# Allegro board 1156197-TDI_VU3P_QSFP28_CXP_V001_1023A-166-20241121_1644_PCB.brd (continued)
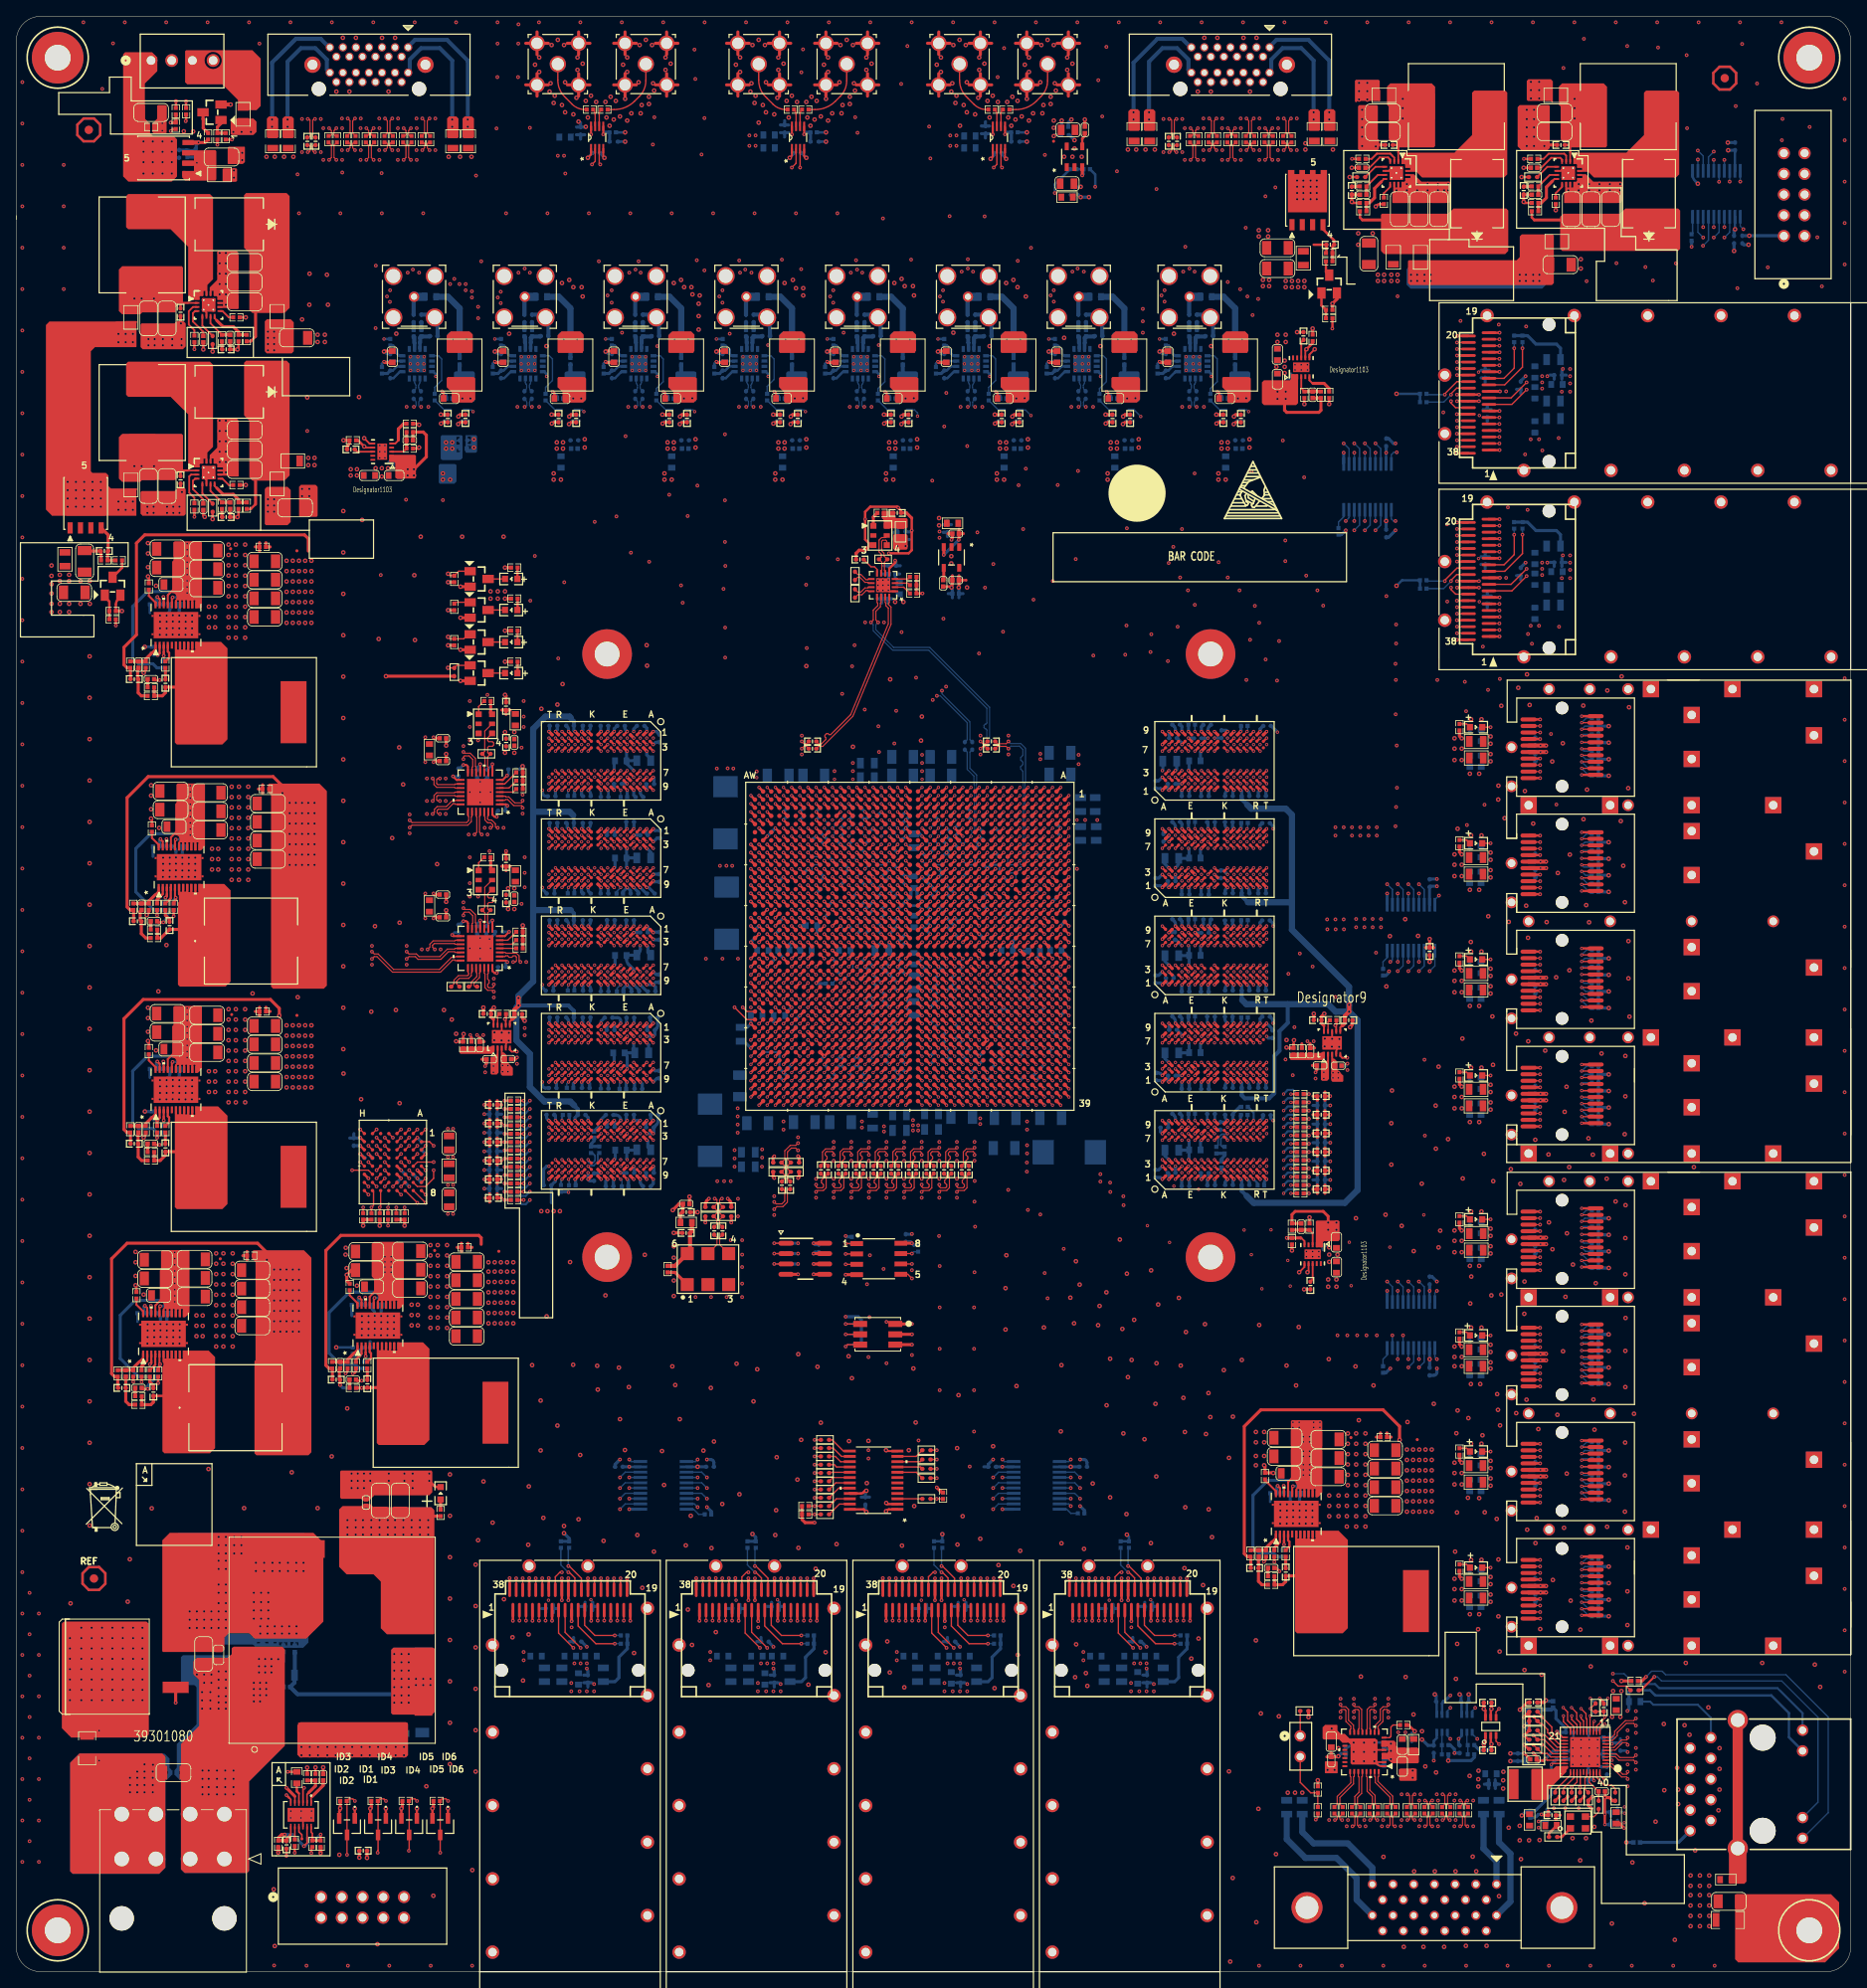
[diagram p0: board, top side]
## Routing (per net, layer and track width the routed paths; a pad name or vN(x,y) marks a point on that pad's centre or on a via; arc(x,y) is an arc through that point) (continued)
CHA_BPI_FLASH_CLK: length 156.8
  TOP w0.17: U3.E6 v1(45.19,98.37)
  ART12 w0.122: v1(104.1,135.36) 104.42,135.36 104.65,135.13 104.65,125.6 103.63,124.59 103.63,118.14 103.3,117.81 102.77,117.81 102.62,117.65 102.62,115.19 102.23,114.81 101.85,114.81 101.6,114.55 101.6,106.17 100.97,105.54 100.97,93.98 97.16,90.17 97.16,84.71 90.78,78.33 66.04,78.33 65.66,78.71 65.66,79.3 65.46,79.5 62.53,79.5 62.23,79.81 62.23,87.64 62.11,87.76 58.04,87.76 57.28,88.52 57.06,88.52 56.93,88.4 56.93,85.59 56.81,85.47 56.57,85.47 56.45,85.59 56.45,88.4 56.32,88.52 56.08,88.52 55.96,88.4 55.96,85.59 55.84,85.47 55.59,85.47 55.47,85.59 55.47,88.4 55.35,88.52 55.1,88.52 54.98,88.4 54.98,85.59 54.86,85.47 54.62,85.47 54.49,85.59 54.49,88.4 54.37,88.52 54.13,88.52 54.01,88.4 54.01,86.43 53.89,86.31 53.64,86.31 53.52,86.43 53.52,88.4 53.4,88.52 50.67,88.52 50.04,89.15 48.64,89.15 48.01,89.79 43.31,89.79 41.4,91.69 41.4,97.03 42.75,98.37 43.51,98.37 44.07,98.93 44.83,98.93 45.19,98.57 v1(45.19,98.37)
  BOTTOM w0.17: R1.1 104.59,135.84 v1(104.1,135.36)
CHA_BPI_FLASH_D0: length 154.1
  TOP w0.17: U1.AB8 v1(108.1,138.36) ; U3.F2 v1(44.19,102.37)
  ART12 w0.122: v1(44.19,102.37) 43.04,102.37 42.55,102.87 41.73,102.87 38.58,99.72 38.58,87.91 39.7,86.79 39.7,85.52 40.28,84.94 42.65,84.94 45.54,82.04 47.12,82.04 48.01,81.15 49.53,81.15 50.16,80.52 50.16,78.79 51.02,77.94 52.36,77.94 53.09,77.22 55.93,77.22 56.39,76.76 63.88,76.76 64.95,75.69 93.68,75.69 102.87,84.89 102.87,90.42 107.6,95.16 107.6,124.87 108.6,125.87 108.6,136.54 108.92,136.86 109.43,136.86 109.61,137.03 109.61,138.55 109.29,138.87 108.22,138.87 108.1,138.75 v1(108.1,138.36)
CHA_BPI_FLASH_D1: length 158.2
  TOP w0.152: v1(106.1,138.36) 106.1,138.36 U1.AD8
  TOP w0.17: U3.E2 v1(45.19,102.37)
  ART12 w0.122: v1(45.19,102.37) 44.69,101.87 44.69,101.08 44.48,100.87 41.51,100.87 39.45,98.81 39.45,90.65 41.71,88.39 41.71,87.45 45.85,83.31 49.53,83.31 50.67,82.17 53.04,82.17 53.47,81.74 53.47,79.12 54.48,78.11 56.29,78.11 56.77,77.62 64.24,77.62 65.3,76.56 93.15,76.56 95.97,79.37 95.97,79.55 95.4,80.11 95.4,80.29 95.57,80.46 95.74,80.46 96.31,79.89 96.48,79.89 96.66,80.06 96.66,80.24 96.09,80.8 96.09,80.98 96.26,81.15 96.43,81.15 97,80.58 97.17,80.58 97.35,80.75 97.35,80.93 96.78,81.49 96.78,81.67 96.95,81.84 97.12,81.84 97.69,81.27 97.86,81.27 98.04,81.44 98.04,81.62 97.47,82.18 97.47,82.35 97.64,82.53 97.81,82.53 98.28,82.07 98.45,82.07 98.62,82.24 98.62,82.41 98.16,82.87 98.16,83.04 98.89,83.78 100.37,83.78 101.12,84.52 101.12,91.34 104.27,94.49 104.9,94.49 105.41,95 105.41,102.23 105.92,102.74 105.92,105.79 105.54,106.17 105.54,124.71 106.6,125.78 106.6,136.7 106.76,136.86 107.27,136.86 107.6,137.19 107.6,138.65 107.38,138.87 106.28,138.87 106.1,138.69 v1(106.1,138.36)
CHA_BPI_FLASH_D2: length 156.1
  TOP w0.152: U1.Y8 v1(109.1,138.36)
  TOP w0.17: v1(43.19,101.37) U3.G3
  ART12 w0.122: v1(109.1,138.36) 108.6,137.86 108.6,137.18 108.28,136.86 107.9,136.86 107.6,136.56 107.6,125.64 106.6,124.64 106.6,106.12 107.06,105.66 107.06,103 106.05,101.98 106.05,94.36 105.14,93.46 104.97,93.46 104.51,93.92 104.34,93.92 104.16,93.75 104.16,93.58 104.63,93.12 104.63,92.94 104.45,92.77 104.28,92.77 103.82,93.23 103.65,93.23 103.47,93.06 103.47,92.89 103.94,92.43 103.94,92.25 103.76,92.08 103.59,92.08 103.13,92.54 102.96,92.54 102.78,92.37 102.78,92.2 103.25,91.74 103.25,91.56 103.07,91.39 102.9,91.39 102.44,91.85 102.27,91.85 102.09,91.68 102.09,91.51 102.56,91.05 102.56,90.87 102.36,90.68 102.36,85.09 99.97,82.7 99.8,82.7 99.21,83.29 99.04,83.29 98.87,83.12 98.87,82.95 99.46,82.36 99.46,82.18 93.4,76.12 65.13,76.12 64.06,77.19 56.59,77.19 56.18,77.6 53.34,77.6 52.27,78.66 52.27,80.57 51.94,80.9 50.67,80.9 50.04,81.53 50.04,82.04 49.4,82.68 45.72,82.68 41.33,87.07 40.34,87.07 39.04,88.37 39.04,99.44 41.47,101.87 42.96,101.87 43.19,101.64 v1(43.19,101.37)
CHA_BPI_FLASH_D3: length 157.6
  TOP w0.152: U1.AC8 107.1,138.36 v1(107.1,138.36)
  TOP w0.17: U3.E4 v1(45.19,100.37)
  ART12 w0.122: v1(107.1,138.36) U1.AC8 105.98,137.86 105.6,137.48 105.6,125.67 104.65,124.71 104.65,106.3 104.27,105.92 104.27,105.67 104.39,105.54 105.42,105.54 105.54,105.42 105.54,105.18 105.42,105.06 104.39,105.06 104.27,104.93 104.27,104.69 104.39,104.57 105.42,104.57 105.54,104.45 105.54,104.2 105.42,104.08 104.39,104.08 104.27,103.96 104.27,103.71 104.39,103.59 105.42,103.59 105.54,103.47 105.54,103.23 105.42,103.11 103.99,103.11 103.76,102.87 103.76,94.61 100.71,91.57 100.71,84.71 100.2,84.2 98.68,84.2 94.61,80.14 94.61,79.96 95.14,79.44 95.14,79.27 94.97,79.09 94.8,79.09 94.27,79.62 94.1,79.62 93.92,79.45 93.92,79.27 94.45,78.75 94.45,78.58 94.28,78.4 94.11,78.4 93.58,78.93 93.41,78.93 93.23,78.76 93.23,78.58 93.76,78.06 93.76,77.89 93.59,77.71 93.42,77.71 92.89,78.24 92.72,78.24 92.54,78.07 92.54,77.89 93.07,77.37 93.07,77.2 92.9,77.02 92.73,77.02 92.2,77.55 92.03,77.55 91.44,76.96 65.51,76.96 64.39,78.08 56.92,78.08 56.39,78.61 54.74,78.61 53.98,79.38 53.98,82.58 53.05,83.5 50.1,83.5 49.78,83.82 46.1,83.82 42.16,87.76 42.16,88.7 39.9,90.96 39.9,98.45 41.33,99.87 44.69,99.87 v1(45.19,100.37)
CHA_BPI_FLASH_D4: length 141.3
  TOP w0.152: U1.AF30 v1(103.1,115.36)
  TOP w0.17: U3.E5 v1(45.19,99.37)
  ART12 w0.122: v1(45.19,99.37) 45.12,99.44 43.97,99.44 43.33,98.81 42.42,98.81 40.82,97.21 40.82,91.52 43.05,89.28 46.74,89.28 48.32,87.69 49.89,87.69 50.01,87.57 50.01,86.26 50.29,85.98 53.09,85.98 54.23,84.84 56.77,84.84 56.95,84.65 56.95,84.22 56.83,84.1 55.11,84.1 54.99,83.98 54.99,83.73 55.11,83.61 56.83,83.61 56.95,83.49 56.95,83.25 56.83,83.13 55.11,83.13 54.99,83 54.99,82.76 55.11,82.64 56.83,82.64 56.95,82.52 56.95,82.27 56.83,82.15 55.11,82.15 54.99,82.03 54.99,81.78 55.11,81.66 56.83,81.66 56.95,81.54 56.95,81.3 56.83,81.17 55.11,81.17 54.99,81.05 54.99,80.81 55.11,80.69 56.83,80.69 56.95,80.56 56.95,80.32 56.83,80.2 55.11,80.2 54.99,80.08 54.99,79.83 55.11,79.71 56.51,79.71 57.26,78.96 64.67,78.96 65.84,77.8 91.01,77.8 98.3,85.09 98.3,90.55 101.47,93.73 101.47,98.39 101.59,98.52 102.62,98.52 102.74,98.64 102.74,98.88 102.62,99 101.59,99 101.47,99.12 101.47,102.54 101.59,102.66 102.49,102.66 102.62,102.78 102.62,103.03 102.49,103.15 101.59,103.15 101.47,103.27 101.47,103.52 101.59,103.64 102.49,103.64 102.62,103.76 102.62,104 102.49,104.12 101.59,104.12 101.47,104.25 101.47,104.49 101.59,104.61 102.49,104.61 102.62,104.73 102.62,104.98 102.49,105.1 101.59,105.1 101.47,105.22 101.47,105.41 101.85,105.79 102.36,105.79 102.62,106.05 102.62,114.55 103.1,115.04 v1(103.1,115.36)
CHA_BPI_FLASH_D5: length 142.1
  TOP w0.152: U1.AG30 v1(102.1,115.36)
  TOP w0.17: U3.G5 v1(43.19,99.37)
  ART14 w0.122: v1(43.19,99.37) 42.75,98.93 40.89,98.93 40.64,98.68 40.64,97.95 40.76,97.83 42.42,97.83 42.55,97.71 42.55,97.46 42.42,97.34 40.76,97.34 40.64,97.22 40.64,96.97 40.76,96.85 42.42,96.85 42.55,96.73 42.55,96.49 42.42,96.36 40.76,96.36 40.64,96.24 40.64,96 40.76,95.88 42.42,95.88 42.55,95.76 42.55,95.51 42.42,95.39 40.76,95.39 40.64,95.27 40.64,95.02 40.76,94.9 42.42,94.9 42.55,94.78 42.55,94.54 42.42,94.41 40.76,94.41 40.64,94.29 40.64,94.05 40.76,93.93 41.92,93.93 42.04,93.8 42.04,93.56 41.92,93.44 40.76,93.44 40.64,93.32 40.64,93.07 40.76,92.95 41.92,92.95 42.04,92.83 42.04,92.59 41.92,92.46 40.76,92.46 40.64,92.34 40.64,91.44 41.15,90.93 45.34,90.93 50.29,85.98 53.21,85.98 53.47,85.72 53.47,77.34 53.98,76.83 69.34,76.83 70.24,77.73 70.24,77.9 69.65,78.49 69.65,78.67 69.82,78.84 69.99,78.84 70.58,78.25 70.76,78.25 70.93,78.42 70.93,78.59 70.34,79.18 70.34,79.36 70.51,79.53 70.68,79.53 71.27,78.94 71.45,78.94 73,80.49 73,80.66 72.03,81.63 72.03,81.8 72.2,81.98 72.37,81.98 73.34,81.01 73.51,81.01 77.72,85.22 77.72,88.64 77.6,88.77 76.7,88.77 76.58,88.89 76.58,89.13 76.7,89.25 77.6,89.25 77.72,89.38 77.72,89.62 77.6,89.74 76.7,89.74 76.58,89.86 76.58,90.11 76.7,90.23 77.6,90.23 77.72,90.35 77.72,91.8 82.07,96.14 84.33,96.14 86.97,98.78 86.97,101.14 87.88,102.06 87.88,109.78 88.21,110.11 89.66,110.11 89.92,109.86 92.33,109.86 92.58,110.11 92.58,110.62 92.84,110.87 101.35,110.87 101.6,111.12 101.6,114.55 102.1,115.06 v1(102.1,115.36)
CHA_BPI_FLASH_D6: length 143
  TOP w0.152: U1.AF28 v1(103.1,117.36)
  TOP w0.17: U3.G6 43.19,98.37 v1(41.19,98.37)
  ART12 w0.122: v1(103.1,117.36) 103.63,116.83 103.63,106.3 103.12,105.79 103.12,94.74 98.81,90.42 98.81,90.11 98.93,89.99 100.08,89.99 100.2,89.87 100.2,89.63 100.08,89.5 98.93,89.5 98.81,89.38 98.81,89.14 98.93,89.02 100.08,89.02 100.2,88.9 100.2,88.65 100.08,88.53 98.93,88.53 98.81,88.41 98.81,88.16 98.93,88.04 100.08,88.04 100.2,87.92 100.2,87.68 100.08,87.55 98.93,87.55 98.81,87.43 98.81,87.19 98.93,87.07 100.08,87.07 100.2,86.94 100.2,86.7 100.08,86.58 98.93,86.58 98.81,86.46 98.81,86.21 98.93,86.09 100.08,86.09 100.2,85.97 100.2,85.73 100.08,85.6 98.93,85.6 98.81,85.48 98.81,84.96 91.24,77.39 65.66,77.39 64.54,78.51 57.18,78.51 56.57,79.12 54.99,79.12 54.48,79.63 54.48,83.69 53.47,84.71 49.41,84.71 49.29,84.83 49.29,87.03 49.17,87.15 48.93,87.15 48.8,87.03 48.8,84.83 48.68,84.71 48.44,84.71 48.32,84.83 48.32,87.03 48.19,87.15 47.95,87.15 47.83,87.03 47.83,84.83 47.71,84.71 47.37,84.71 46.99,85.09 46.99,88.27 46.51,88.75 44.53,88.75 44.41,88.62 44.41,87.75 44.29,87.63 44.04,87.63 43.92,87.75 43.92,88.62 43.8,88.75 43.56,88.75 43.43,88.62 43.43,87.75 43.31,87.63 43.07,87.63 42.95,87.75 42.95,88.62 40.36,91.21 40.36,98.15 40.59,98.37 v1(41.19,98.37)
CHA_BPI_FLASH_D7: length 145.4
  TOP w0.152: U1.AG28 v1(102.1,117.36)
  TOP w0.17: U3.H7 v1(43.19,96.37)
  ART12 w0.122: v1(43.19,96.37) 44.07,95.49 44.07,92.58 44.53,92.13 48.07,92.13 49.4,90.79 54.75,90.79 55.52,90.02 57.81,90.02 58.75,89.08 68.05,89.08 68.48,88.65 68.48,86.77 67.31,85.6 67.31,80.01 67.54,79.78 67.87,79.78 67.99,79.9 67.99,83.83 68.11,83.95 68.36,83.95 68.48,83.83 68.48,79.9 68.6,79.78 68.84,79.78 68.97,79.9 68.97,83.7 69.09,83.82 69.33,83.82 69.45,83.7 69.45,79.9 69.57,79.78 69.82,79.78 69.94,79.9 69.94,83.7 70.06,83.82 70.31,83.82 70.43,83.7 70.43,79.9 70.55,79.78 70.79,79.78 70.92,79.9 70.92,83.7 71.04,83.82 71.28,83.82 71.4,83.7 71.4,79.9 71.53,79.78 71.77,79.78 71.89,79.9 71.89,82.17 72.01,82.3 72.26,82.3 72.38,82.17 72.38,79.9 72.53,79.76 90.17,79.76 94.84,84.43 94.84,90.45 97.43,93.04 97.43,93.77 97.56,93.9 98.3,93.9 98.42,94.02 98.42,94.26 98.3,94.38 97.56,94.38 97.43,94.51 97.43,97.36 98.6,98.52 98.6,113.55 98.91,113.86 99.38,113.86 99.6,114.08 99.6,115.6 99.86,115.86 101.38,115.86 101.6,116.08 101.6,117.09 101.86,117.36 v1(102.1,117.36)
CHA_BPI_FLASH_D8: length 141.4
  TOP w0.152: U1.AH30 v1(101.1,115.36)
  TOP w0.17: U3.E1 v1(46.19,102.37)
  ART12 w0.122: v1(101.1,115.36) 100.68,114.94 100.68,114.14 100.4,113.86 99.94,113.86 99.62,113.54 99.62,105.97 99.06,105.41 99.06,93.47 95.35,89.76 95.35,84.26 90.39,79.3 67.26,79.3 66.75,79.81 66.75,84.49 66.63,84.61 63.37,84.61 63.25,84.73 63.25,84.98 63.37,85.1 66.63,85.1 66.75,85.22 66.75,85.46 66.63,85.59 63.37,85.59 63.25,85.71 63.25,85.95 63.37,86.07 66.76,86.07 66.88,86.2 66.88,86.44 66.76,86.56 63.37,86.56 63.25,86.68 63.25,86.93 63.37,87.05 66.76,87.05 66.88,87.17 66.88,87.41 66.76,87.54 63.37,87.54 63.25,87.66 63.25,87.9 63.37,88.02 66.76,88.02 66.88,88.15 66.88,88.52 66.73,88.67 58.52,88.67 57.66,89.53 55.12,89.53 54.33,90.32 49,90.32 48.39,90.93 44.22,90.93 43.79,91.36 43.79,91.97 43.05,92.71 43.05,94.11 42.55,94.61 42.55,96.52 42.9,96.88 45.95,96.88 46.19,97.12 v1(46.19,102.37)
CHA_BPI_FLASH_D9: length 141.5
  TOP w0.152: U1.AH31 v1(101.1,114.36)
  TOP w0.17: U3.E3 v1(45.19,101.37)
  ART12 w0.122: v1(101.1,114.36) 101.1,114.06 100.58,113.54 100.58,106.05 99.57,105.03 99.57,104.6 99.69,104.48 100.34,104.48 100.46,104.36 100.46,104.11 100.34,103.99 99.69,103.99 99.57,103.87 99.57,103.63 99.69,103.5 100.34,103.5 100.46,103.38 100.46,103.14 100.34,103.02 99.69,103.02 99.57,102.89 99.57,99.01 99.69,98.89 100.21,98.89 100.33,98.77 100.33,98.53 100.21,98.4 99.69,98.4 99.57,98.28 99.57,93.34 96.52,90.3 96.52,84.84 90.55,78.87 66.35,78.87 66.2,79.01 66.2,80.78 65.84,81.14 64.32,81.14 64.2,81.02 64.2,80.13 64.08,80.01 63.84,80.01 63.71,80.13 63.71,81.02 63.59,81.14 63.35,81.14 63.23,81.02 63.23,80.13 63.1,80.01 62.86,80.01 62.74,80.13 62.74,81.5 62.86,81.62 66.17,81.62 66.29,81.75 66.29,81.99 66.17,82.11 62.86,82.11 62.74,82.23 62.74,82.48 62.86,82.6 66.17,82.6 66.29,82.72 66.29,82.97 66.17,83.09 62.86,83.09 62.74,83.21 62.74,83.45 62.86,83.58 66.17,83.58 66.29,83.7 66.29,83.94 66.17,84.06 62.86,84.06 62.74,84.18 62.74,88.01 62.48,88.27 58.29,88.27 57.53,89.03 54.86,89.03 54.13,89.76 48.79,89.76 48.26,90.3 44.09,90.3 43.23,91.16 43.23,91.77 42.04,92.96 42.04,96.9 43.05,97.92 45.47,97.92 45.72,98.17 45.72,101.09 45.44,101.37 v1(45.19,101.37)
CHA_BPI_FLASH_D10: length 145
  TOP w0.152: U1.AG27 v1(102.1,118.36)
  TOP w0.17: U3.F3 v1(44.19,101.37)
  ART14 w0.122: v1(102.1,118.36) 101.6,117.86 101.6,115.19 101.35,114.94 100.97,114.94 100.58,114.55 100.58,113.16 100.33,112.9 99.82,112.9 99.57,112.65 99.57,112.14 99.31,111.89 92.91,111.89 92.58,111.56 92.58,111.12 92.33,110.87 90.04,110.87 89.79,110.62 87.76,110.62 87.45,110.31 87.45,102.36 86.49,101.4 86.49,99.06 84.07,96.65 81.97,96.65 76.17,90.86 76.17,87.5 76.3,87.38 77.09,87.38 77.22,87.26 77.22,87.01 77.09,86.89 76.3,86.89 76.17,86.77 76.17,86.53 76.3,86.4 77.09,86.4 77.22,86.28 77.22,86.04 77.09,85.92 76.3,85.92 76.17,85.79 76.17,84.43 75.44,83.69 74.59,83.69 74.47,83.57 74.47,82.67 74.35,82.55 74.1,82.55 73.98,82.67 73.98,83.57 73.86,83.69 73.62,83.69 73.49,83.57 73.49,82.67 73.37,82.55 73.13,82.55 73.01,82.67 73.01,83.57 72.89,83.69 71.47,83.69 71.35,83.57 71.35,80.39 71.23,80.26 70.98,80.26 70.86,80.39 70.86,83.57 70.74,83.69 70.49,83.69 70.37,83.57 70.37,80.39 70.25,80.26 70.01,80.26 69.88,80.39 69.88,83.57 69.76,83.69 69.22,83.69 69.09,83.57 69.09,77.98 68.55,77.44 54.13,77.44 53.98,77.6 53.98,77.99 54.1,78.11 55.38,78.11 55.5,78.23 55.5,78.47 55.38,78.6 54.1,78.6 53.98,78.72 53.98,78.96 54.1,79.08 55.38,79.08 55.5,79.21 55.5,79.45 55.38,79.57 54.1,79.57 53.98,79.69 53.98,79.94 54.1,80.06 55.38,80.06 55.5,80.18 55.5,80.43 55.38,80.55 54.1,80.55 53.98,80.67 53.98,80.91 54.1,81.04 55.38,81.04 55.5,81.16 55.5,81.4 55.38,81.52 54.1,81.52 53.98,81.64 53.98,86.49 53.23,87.24 50.18,87.24 46.23,91.19 46.23,91.69 45.47,92.46 44.45,92.46 44.07,92.84 44.07,94.36 43.69,94.74 43.69,100.87 v1(44.19,101.37)
CHA_BPI_FLASH_D11: length 142.2
  TOP w0.152: U1.AH27 v1(101.1,118.36)
  TOP w0.17: U3.F4 v1(44.19,100.37)
  ART14 w0.122: v1(101.1,118.36) 100.6,117.86 99.95,117.86 99.57,117.48 99.57,115.06 99.31,114.81 98.81,114.81 98.55,114.55 98.55,114.05 98.3,113.79 89.53,113.79 88.65,112.9 88.65,111.89 88.39,111.63 86.84,111.63 86.59,111.38 86.59,102.97 85.55,101.93 85.55,99.39 83.82,97.66 81.71,97.66 77.38,93.34 77.21,93.34 76.83,93.72 76.65,93.72 76.48,93.55 76.48,93.38 76.87,92.99 76.87,92.82 76,91.95 71.88,91.95 71.76,92.07 71.76,92.72 71.64,92.84 71.4,92.84 71.27,92.72 71.27,92.07 71.15,91.95 70.43,91.95 67.23,88.75 67.23,87.25 67.03,87.05 64.43,87.05 64.31,86.92 64.31,86.56 64.43,86.43 67.34,86.43 67.46,86.31 67.46,86.07 67.34,85.95 64.43,85.95 64.31,85.82 64.31,85.58 64.43,85.46 67.34,85.46 67.46,85.34 67.46,85.09 67.34,84.97 64.43,84.97 64.31,84.85 64.31,84.61 64.43,84.48 67.34,84.48 67.46,84.36 67.46,84.12 67.34,84 64.43,84 64.31,83.87 64.31,83.63 64.43,83.51 67.34,83.51 67.46,83.39 67.46,83.14 67.34,83.02 64.43,83.02 64.31,82.9 64.31,82.65 64.43,82.53 67.34,82.53 67.46,82.41 67.46,82.04 67.34,81.92 62.61,81.92 62.36,81.66 62.36,78.87 61.98,78.49 56.9,78.49 56.59,78.79 56.59,86.23 53.01,89.81 50.21,89.81 47.87,92.15 47.87,92.32 48.68,93.13 48.68,93.3 48.51,93.48 48.34,93.48 47.53,92.67 47.36,92.67 46.81,93.22 46.43,93.22 46.1,93.55 46.1,94.49 45.7,94.89 45.7,100.66 45.48,100.87 44.69,100.87 v1(44.19,100.37)
CHA_BPI_FLASH_D12: length 139.7
  TOP w0.152: U1.AK31 v1(99.1,114.36)
  TOP w0.17: U3.F5 v1(44.19,98.37)
  ART14 w0.122: v1(99.1,114.36) 99.1,113.96 98.04,112.9 89.79,112.9 89.28,112.39 89.28,111.51 88.9,111.12 87.25,111.12 87.02,110.9 87.02,102.64 86,101.63 86,99.21 83.95,97.16 81.84,97.16 76.18,91.5 70.62,91.5 68.48,89.36 68.48,81.49 68.36,81.37 65.73,81.37 65.61,81.25 65.61,81.01 65.73,80.88 68.36,80.88 68.48,80.76 68.48,80.52 68.36,80.4 65.73,80.4 65.61,80.27 65.61,80.03 65.73,79.91 68.36,79.91 68.48,79.79 68.48,79.54 68.36,79.42 65.73,79.42 65.61,79.3 65.61,79.06 65.73,78.93 68.36,78.93 68.48,78.81 68.48,78.23 68.33,78.08 64.5,78.08 64.38,78.2 64.38,80.83 64.25,80.95 64.01,80.95 63.89,80.83 63.89,78.2 63.77,78.08 63.52,78.08 63.4,78.2 63.4,80.83 63.28,80.95 63.04,80.95 62.91,80.83 62.91,78.2 62.66,77.95 56.54,77.95 56.13,78.36 56.13,81.99 56.01,82.11 54.6,82.11 54.48,82.23 54.48,82.47 54.6,82.6 56.01,82.6 56.13,82.72 56.13,82.96 56.01,83.08 54.6,83.08 54.48,83.21 54.48,83.45 54.6,83.57 56.01,83.57 56.13,83.69 56.13,83.94 56.01,84.06 54.6,84.06 54.48,84.18 54.48,84.43 54.6,84.55 56.01,84.55 56.13,84.67 56.13,84.91 56.01,85.03 54.6,85.03 54.48,85.16 54.48,85.4 54.6,85.52 56.01,85.52 56.13,85.64 56.13,85.98 53.57,88.54 49.8,88.54 47.02,91.32 47.02,91.61 45.09,93.55 45.09,94.61 44.69,95.01 44.69,97.87 v1(44.19,98.37)
CHA_BPI_FLASH_D13: length 140.5
  TOP w0.152: v1(98.1,115.36) 98.1,115.36 U1.AL31
  TOP w0.17: U3.H5 v1(42.19,99.37)
  ART14 w0.122: v1(42.19,99.37) 41.66,99.91 41.66,104.78 42.04,105.16 46.48,105.16 46.69,104.95 46.69,94.81 47.14,94.36 48.34,94.36 48.84,93.85 49.66,93.85 49.81,93.7 49.81,93.53 48.64,92.37 48.64,92.2 48.82,92.03 48.99,92.03 50.15,93.19 50.32,93.19 50.5,93.01 50.5,92.84 49.33,91.68 49.33,91.51 49.51,91.34 49.68,91.34 50.84,92.5 51.01,92.5 51.19,92.32 51.19,92.15 50.02,90.99 50.02,90.82 50.2,90.65 50.37,90.65 51.53,91.81 51.7,91.81 51.88,91.63 51.88,91.46 51.09,90.68 51.09,90.51 51.27,90.34 51.44,90.34 52.22,91.12 52.39,91.12 54.86,88.65 61.09,88.65 61.98,87.76 66.17,87.76 66.55,88.14 66.55,88.82 72.06,94.34 72.38,94.34 72.5,94.21 72.5,92.43 72.62,92.3 72.87,92.3 72.99,92.43 72.99,94.21 73.11,94.34 73.36,94.34 73.48,94.21 73.48,92.43 73.6,92.3 73.84,92.3 73.97,92.43 73.97,94.21 74.09,94.34 74.33,94.34 74.45,94.21 74.45,92.43 74.57,92.3 74.82,92.3 74.94,92.43 74.94,94.21 75.06,94.34 75.31,94.34 75.43,94.21 75.43,92.43 75.55,92.3 75.79,92.3 75.92,92.43 75.92,94.21 76.04,94.34 77.75,94.34 81.58,98.17 83.69,98.17 85.09,99.57 85.09,103.13 85.21,103.25 85.91,103.25 86.03,103.38 86.03,103.62 85.91,103.74 85.21,103.74 85.09,103.86 85.09,104.11 85.21,104.23 85.91,104.23 86.03,104.35 86.03,104.59 85.91,104.72 85.21,104.72 85.09,104.84 85.09,105.08 85.21,105.2 85.91,105.2 86.03,105.33 86.03,105.57 85.91,105.69 85.21,105.69 85.09,105.81 85.09,106.06 85.21,106.18 85.91,106.18 86.03,106.3 86.03,106.55 85.91,106.67 85.21,106.67 85.09,106.79 85.09,107.03 85.21,107.15 85.91,107.15 86.03,107.28 86.03,107.52 85.91,107.64 85.21,107.64 85.09,107.76 85.09,108.01 85.21,108.13 85.91,108.13 86.03,108.25 86.03,108.5 85.91,108.62 85.21,108.62 85.09,108.74 85.09,108.98 85.21,109.11 85.91,109.11 86.03,109.23 86.03,109.47 85.91,109.59 85.21,109.59 85.09,109.72 85.09,109.96 85.21,110.08 85.91,110.08 86.03,110.2 86.03,110.45 85.91,110.57 85.21,110.57 85.09,110.69 85.09,110.93 85.21,111.06 85.91,111.06 86.03,111.18 86.03,111.42 85.91,111.54 85.21,111.54 85.09,111.67 85.09,111.96 85.27,112.14 87.76,112.14 88.14,112.52 88.14,114.68 88.39,114.94 88.74,114.94 88.86,114.81 88.86,114.42 88.98,114.3 89.23,114.3 89.35,114.42 89.35,114.81 89.47,114.94 97.68,114.94 v1(98.1,115.36)
CHA_BPI_FLASH_D14: length 139.7
  TOP w0.17: U3.G7 v1(44.19,96.37) ; U1.AM28 97.6,117.86 v1(98.1,117.36)
  ART12 w0.122: v1(98.1,117.36) 98.42,117.36 98.6,117.17 98.6,114.16 98.04,113.6 98.04,113.03 97.6,112.59 97.6,106.24 97.03,105.66 97.03,105.45 97.15,105.33 98.07,105.33 98.2,105.2 98.2,104.96 98.07,104.84 97.15,104.84 97.03,104.72 97.03,104.47 97.15,104.35 98.07,104.35 98.2,104.23 98.2,103.99 98.07,103.86 97.15,103.86 97.03,103.74 97.03,103.5 97.15,103.38 98.07,103.38 98.2,103.25 98.2,103.01 98.07,102.89 97.15,102.89 97.03,102.77 97.03,102.52 97.15,102.4 98.07,102.4 98.2,102.28 98.2,102.03 98.07,101.91 97.15,101.91 97.03,101.79 97.03,101.55 97.15,101.42 98.07,101.42 98.2,101.3 98.2,101.06 98.07,100.94 97.15,100.94 97.03,100.82 97.03,100.57 97.15,100.45 98.07,100.45 98.2,100.33 98.2,100.08 98.07,99.96 97.15,99.96 97.03,99.84 97.03,99.6 97.15,99.47 98.07,99.47 98.2,99.35 98.2,99.11 98.07,98.99 97.15,98.99 97.03,98.86 97.03,98.62 97.15,98.5 97.49,98.5 97.61,98.38 97.61,98.13 97.49,98.01 97.15,98.01 96.98,97.84 96.98,93.32 94.28,90.63 94.28,84.51 89.97,80.19 76.15,80.19 75.82,80.52 75.82,84.08 75.7,84.2 75.39,84.2 75.27,84.08 75.27,80.39 75.15,80.26 74.9,80.26 74.78,80.39 74.78,84.21 74.66,84.33 74.42,84.33 74.3,84.21 74.3,80.39 74.17,80.26 73.93,80.26 73.81,80.39 73.81,84.21 73.69,84.33 73.44,84.33 73.32,84.21 73.32,80.39 73.2,80.26 72.95,80.26 72.83,80.39 72.83,84.21 72.71,84.33 69.34,84.33 68.94,84.73 68.94,89.03 68.48,89.48 58.98,89.48 57.91,90.55 55.8,90.55 55.07,91.29 49.68,91.29 48.34,92.63 45.47,92.63 45.09,93.01 45.09,95.48 v1(44.19,96.37)
CHA_BPI_FLASH_D15: length 139.6
  TOP w0.17: U1.AM29 v1(97.1,117.36) ; U3.E7 v1(45.19,96.37)
  ART12 w0.122: v1(97.1,117.36) 97.27,117.36 97.54,117.09 97.54,113.16 97.22,112.84 96.84,112.84 96.6,112.6 96.6,97.36 95.76,96.53 95.76,96.1 95.89,95.98 96.4,95.98 96.53,95.86 96.53,95.62 96.4,95.49 95.89,95.49 95.76,95.37 95.76,95.13 95.89,95.01 96.4,95.01 96.53,94.89 96.53,94.64 96.4,94.52 95.89,94.52 95.76,94.4 95.76,94.15 95.89,94.03 96.4,94.03 96.53,93.91 96.53,93.67 96.4,93.54 96.01,93.54 95.89,93.42 95.89,92.91 93.73,90.75 93.73,86.47 93.6,86.35 93.09,86.35 92.96,86.22 92.96,85.98 93.09,85.86 93.6,85.86 93.73,85.74 93.73,85.49 93.6,85.37 93.09,85.37 92.96,85.25 92.96,85.01 93.09,84.88 93.6,84.88 93.73,84.76 93.73,84.58 89.74,80.59 89.52,80.59 89.4,80.72 89.4,81.34 89.27,81.46 89.03,81.46 88.91,81.34 88.91,80.72 88.79,80.59 88.54,80.59 88.42,80.72 88.42,81.34 88.3,81.46 88.06,81.46 87.93,81.34 87.93,80.72 87.81,80.59 87.57,80.59 87.45,80.72 87.45,81.34 87.32,81.46 87.08,81.46 86.96,81.34 86.96,80.72 86.84,80.59 86.59,80.59 86.47,80.72 86.47,81.34 86.35,81.46 86.1,81.46 85.98,81.34 85.98,80.72 85.86,80.59 85.62,80.59 85.49,80.72 85.49,81.34 85.37,81.46 85.13,81.46 85.01,81.34 85.01,80.72 84.89,80.59 84.64,80.59 84.52,80.72 84.52,81.34 84.4,81.46 84.15,81.46 84.03,81.34 84.03,80.72 83.91,80.59 83.67,80.59 83.54,80.72 83.54,81.34 83.42,81.46 83.18,81.46 83.06,81.34 83.06,80.72 82.93,80.59 82.69,80.59 82.57,80.72 82.57,81.34 82.45,81.46 82.2,81.46 82.08,81.34 82.08,80.72 81.96,80.59 81.72,80.59 81.59,80.72 81.59,81.34 81.47,81.46 81.23,81.46 81.11,81.34 81.11,80.72 80.98,80.59 80.74,80.59 80.62,80.72 80.62,81.34 80.5,81.46 80.25,81.46 80.13,81.34 80.13,80.72 80.01,80.59 79.76,80.59 79.64,80.72 79.64,81.84 79.52,81.97 79.28,81.97 79.16,81.84 79.16,80.72 79.03,80.59 78.79,80.59 78.67,80.72 78.67,81.84 78.55,81.97 78.3,81.97 78.18,81.84 78.18,80.72 78.06,80.59 77.81,80.59 77.69,80.72 77.69,81.84 77.57,81.97 77.33,81.97 77.2,81.84 77.2,80.72 77.08,80.59 76.71,80.59 76.53,80.77 76.53,90.75 76,91.29 70.64,91.29 69.27,89.92 59.18,89.92 58.09,91.01 56.34,91.01 55.6,91.74 54.27,91.74 54.15,91.87 54.15,92.33 54.03,92.46 53.78,92.46 53.66,92.33 53.66,91.87 53.54,91.74 53.29,91.74 53.17,91.87 53.17,92.33 53.05,92.46 52.81,92.46 52.68,92.33 52.68,91.87 52.56,91.74 51.9,91.74 51.71,91.93 51.71,93.78 51.58,93.91 51.35,93.91 51.23,93.78 51.23,91.84 51.11,91.72 50.86,91.72 50.74,91.84 50.74,93.32 50.62,93.45 50.37,93.45 50.25,93.32 50.25,91.84 50.13,91.72 49.89,91.72 49.77,91.84 49.77,93.32 49.64,93.45 49.4,93.45 49.17,93.22 46.25,93.22 46.1,93.37 46.1,94.08 45.72,94.46 45.72,95.84 v1(45.19,96.37)
